# Allegro board WeChat_ZM_PART_20200601.brd (continued)
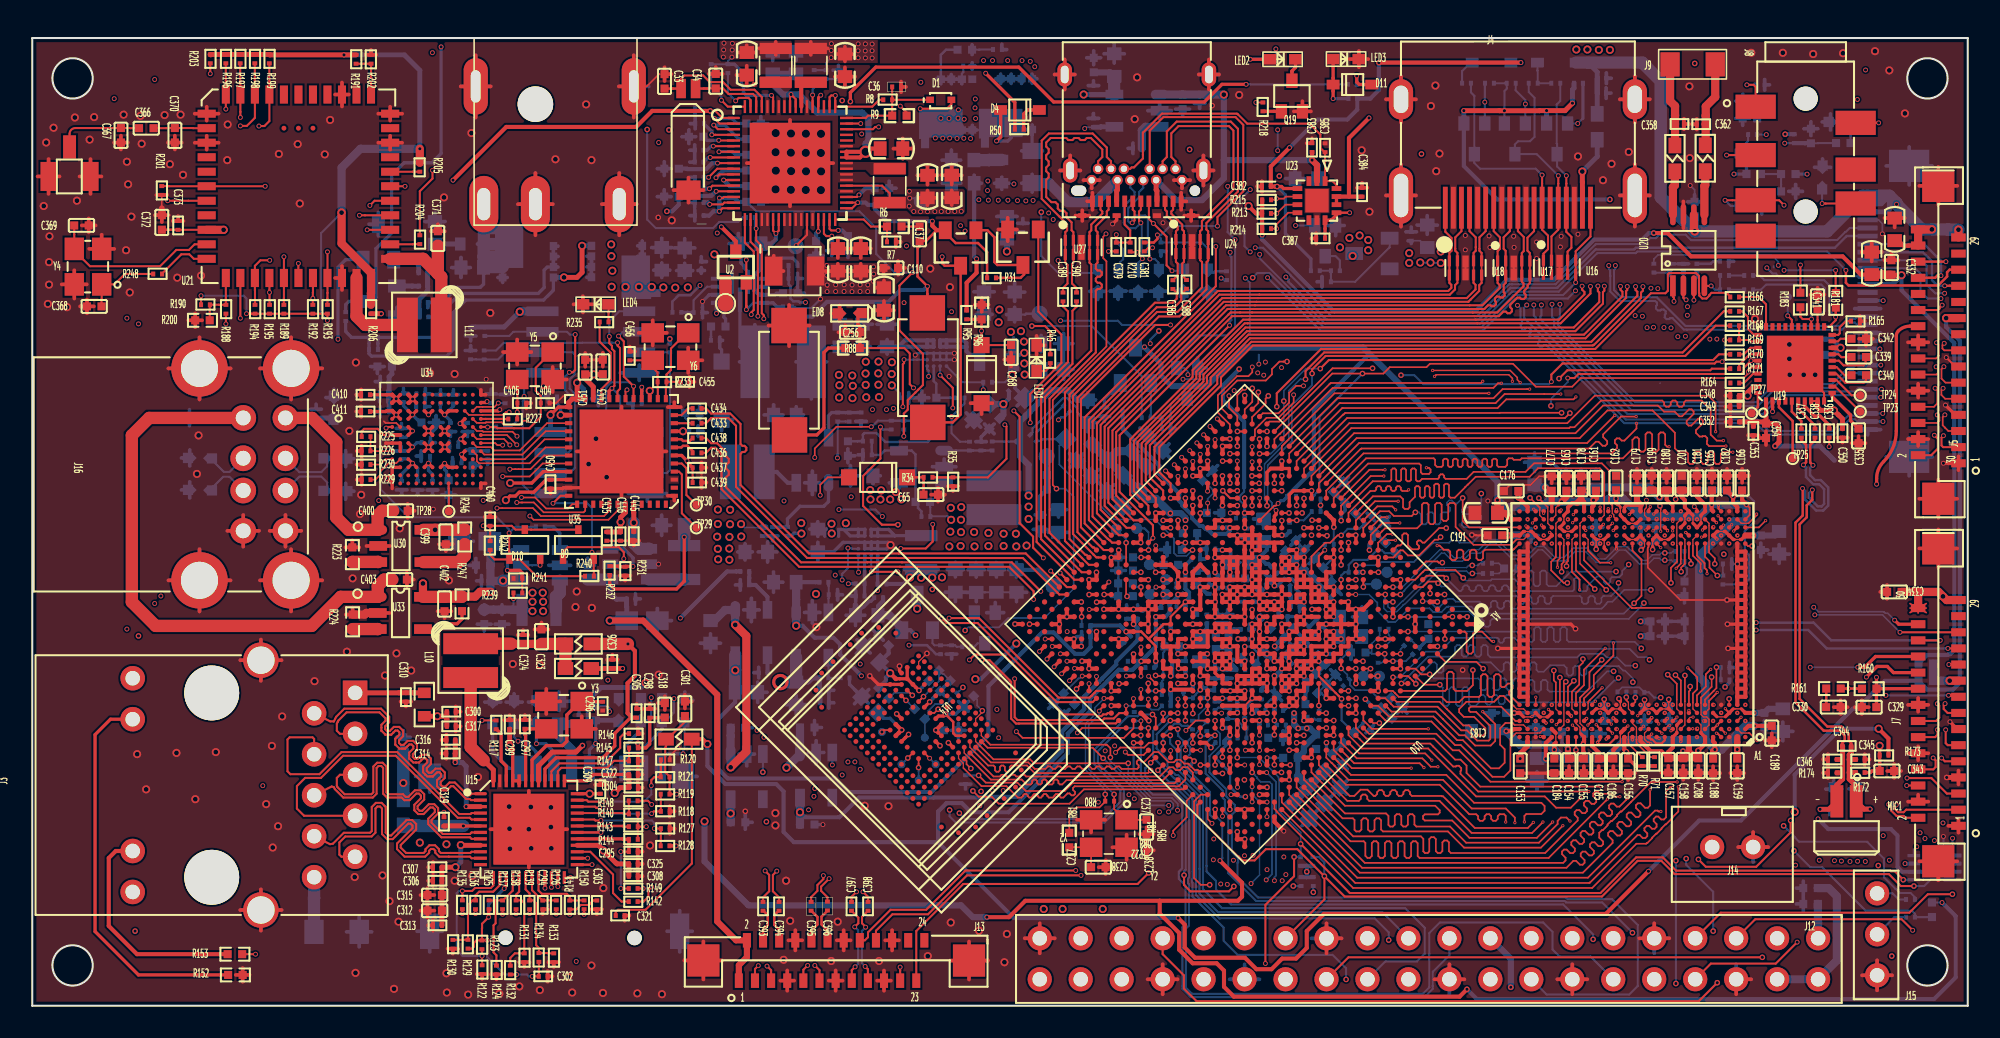
[diagram p0: board, top side]
## Footprints (pads in the part's own frame, mm; a bottom-side part is the same pattern mirrored in y, then rotated) (continued)
C0201
  rect 0.25x0.3 smd: 1(-0.275,0) 2(0.275,0)
C0402
  rect 0.5x0.5 smd: 1(0,0) 2(0.9,0)
C0603
  rect 0.8x0.9 smd: 1(-0.7,0) 2(0.7,0)
C0805
  rect 1.4x1.15 smd: 1(0,0) 2(1.9,0)
C1206
  rect 1.2x1.5 smd: 1(0,0) 2(2.8,0)
CNN24_1R00_FP05SL_V
  rect 0.5x0.9 smd: 1(-7.5,-1.25) 2(-7,1.25) 3(-6.5,-1.25) 4(-6,1.25) 5(-5.5,-1.25) 6(-5,1.25) 7(-4.5,-1.25) 8(-4,1.25) 9(-3.5,-1.25) 10(-3,1.25) 11(-2.5,-1.25) 12(-2,1.25) 13(-1.5,-1.25) 14(-1,1.25) 15(-0.5,-1.25) 16(0,1.25) 17(0.5,-1.25) 18(1,1.25) 19(1.5,-1.25) 20(2,1.25) 21(2.5,-1.25) 22(3,1.25) 23(3.5,-1.25) 24(4,1.25)
  rect 2x2 smd: 25(6.771,-0.005) 26(-9.7,0)
CNN30_1R00_FP05SL_V
  rect 0.5x0.9 smd: 1(-7.5,-1.25) 2(-7,1.25) 3(-6.5,-1.25) 4(-6,1.25) 5(-5.5,-1.25) 6(-5,1.25) 7(-4.5,-1.25) 8(-4,1.25) 9(-3.5,-1.25) 10(-3,1.25) 11(-2.5,-1.25) 12(-2,1.25) 13(-1.5,-1.25) 14(-1,1.25) 15(-0.5,-1.25) 16(0,1.25) 17(0.5,-1.25) 18(1,1.25) 19(1.5,-1.25) 20(2,1.25) 21(2.5,-1.25) 22(3,1.25) 23(3.5,-1.25) 24(4,1.25) 25(4.5,-1.25) 26(5,1.25) 27(5.5,-1.25) 28(6,1.25) 29(6.5,-1.25) 30(7,1.25)
  rect 2x2 smd: 31(-9.7,0) 32(9.7,0)
CON_2_54_2X20P
  round 1.5 hole 0.9: 1(0,0) 2(2.54,0) 3(0,-2.54) 4(2.54,-2.54) 5(0,-5.08) 6(2.54,-5.08) 7(0,-7.62) 8(2.54,-7.62) 9(0,-10.16) 10(2.54,-10.16) 11(0,-12.7) 12(2.54,-12.7) 13(0,-15.24) 14(2.54,-15.24) 15(0,-17.78) 16(2.54,-17.78) 17(0,-20.32) 18(2.54,-20.32) 19(0,-22.86) 20(2.54,-22.86) 21(0,-25.4) 22(2.54,-25.4) 23(0,-27.94) 24(2.54,-27.94) 25(0,-30.48) 26(2.54,-30.48) 27(0,-33.02) 28(2.54,-33.02) 29(0,-35.56) 30(2.54,-35.56) 31(0,-38.1) 32(2.54,-38.1) 33(0,-40.64) 34(2.54,-40.64) 35(0,-43.18) 36(2.54,-43.18) 37(0,-45.72) 38(2.54,-45.72) 39(0,-48.26) 40(2.54,-48.26)
CON_2_54_3P
  round 1.5 hole 0.9: 1(0,0) 2(2.54,0) 3(5.08,0)
CRY2_6R90X1R40X1R30
  rect 1.2x0.6 smd: 1(-3.45,-0.46) 2(-3.45,0.44)
  rect 1.2x1.5 smd: 3(2.85,0)
CRY4_3R20X2R50X0R80
  rect 1.4x1.2 smd: 1(-1.1,-0.85) 2(1.1,-0.85) 3(1.1,0.85) 4(-1.1,0.85)
CSP20_1R96X1R56X0R66
  round 0.24 smd: A1(-0.6,0.8) A2(-0.2,0.8) A3(0.2,0.8) A4(0.6,0.8) B1(-0.6,0.4) B2(-0.2,0.4) B3(0.2,0.4) B4(0.6,0.4) C1(-0.6,0) C2(-0.2,0) C3(0.2,0) C4(0.6,0) D1(-0.6,-0.4) D2(-0.2,-0.4) D3(0.2,-0.4) D4(0.6,-0.4) E1(-0.6,-0.8) E2(-0.2,-0.8) E3(0.2,-0.8) E4(0.6,-0.8)
DC3_DC_0007_5P
  oval 3.5x1.8 hole 2x0.8: 1(10.3,-3.2) 2(10.3,0) 3(10.3,5.2)
  round 2.2 hole 2.2: 4(4.1,0)
  oval 3.5x1.5 hole 2x0.6: 5(3,6.1) 6(3,-3.7)
DCU
  rect 1.1x0.25 smd: 1(0,0) 2(0,-0.5) 3(0,-1) 4(0,-1.5)
  rect 0.8x0.2 smd: 5(2.4,-1.5) 6(2.4,-1) 7(2.4,-0.5) 8(2.4,0)
ECT8180001581
  rect 0.8x1.5 smd: 1(0,0)
  rect 1x1.8 smd: 2(-1.3,1.8) 3(1.3,1.8)
ESD0402
  custom 0.159x0.159 smd: 1(-0.635,-0.025) 2(0.622,0)
FBGA366_15R00X15R00X0R60
  round 0.275 smd: A1(-7,7) A2(-6.5,7) A3(-6,7) A4(-5.5,7) A5(-5,7) A6(-4.5,7) A7(-4,7) A8(-3.5,7) A9(-3,7) A10(-2.5,7) A11(-2,7) A12(-1.5,7) A13(-1,7) A14(-0.5,7) A15(0,7) A16(0.5,7) A17(1,7) A18(1.5,7) A19(2,7) A20(2.5,7) A21(3,7) A22(3.5,7) A23(4,7) A24(4.5,7) A25(5,7) A26(5.5,7) A27(6,7) A28(6.5,7) A29(7,7) AA1(-7,-3) AA2(-6.5,-3) AA28(6.5,-3) AA29(7,-3) AB1(-7,-3.5) AB2(-6.5,-3.5) AB28(6.5,-3.5) AB29(7,-3.5) AC1(-7,-4) AC2(-6.5,-4) AC28(6.5,-4) AC29(7,-4) AD1(-7,-4.5) AD2(-6.5,-4.5) AD28(6.5,-4.5) AD29(7,-4.5) AE1(-7,-5) AE2(-6.5,-5) AE3(-6,-5) AE4(-5.5,-5) AE5(-5,-5) AE6(-4.5,-5) AE7(-4,-5) AE8(-3.5,-5) AE9(-3,-5) AE10(-2.5,-5) AE11(-2,-5) AE12(-1.5,-5) AE13(-1,-5) AE14(-0.5,-5) AE15(0,-5) AE16(0.5,-5) AE17(1,-5) AE18(1.5,-5) AE19(2,-5) AE20(2.5,-5) AE21(3,-5) AE22(3.5,-5) AE23(4,-5) AE24(4.5,-5) AE25(5,-5) AE26(5.5,-5) AE27(6,-5) AE28(6.5,-5) AE29(7,-5) AF1(-7,-5.5) AF2(-6.5,-5.5) AF3(-6,-5.5) AF4(-5.5,-5.5) AF5(-5,-5.5) AF6(-4.5,-5.5) AF7(-4,-5.5) AF8(-3.5,-5.5) AF9(-3,-5.5) AF10(-2.5,-5.5) AF11(-2,-5.5) AF12(-1.5,-5.5) AF13(-1,-5.5) AF14(-0.5,-5.5) AF15(0,-5.5) AF16(0.5,-5.5) AF17(1,-5.5) AF18(1.5,-5.5) AF19(2,-5.5) AF20(2.5,-5.5) AF21(3,-5.5) AF22(3.5,-5.5) AF23(4,-5.5) AF24(4.5,-5.5) AF25(5,-5.5) AF26(5.5,-5.5) AF27(6,-5.5) AF28(6.5,-5.5) AF29(7,-5.5) AG1(-7,-6) AG2(-6.5,-6) AG3(-6,-6) AG4(-5.5,-6) AG5(-5,-6) AG6(-4.5,-6) AG7(-4,-6) AG8(-3.5,-6) AG9(-3,-6) AG10(-2.5,-6) AG11(-2,-6) AG12(-1.5,-6) AG13(-1,-6) AG14(-0.5,-6) AG15(0,-6) AG16(0.5,-6) AG17(1,-6) AG18(1.5,-6) AG19(2,-6) AG20(2.5,-6) AG21(3,-6) AG22(3.5,-6) AG23(4,-6) AG24(4.5,-6) AG25(5,-6) AG26(5.5,-6) AG27(6,-6) AG28(6.5,-6) AG29(7,-6) AH1(-7,-6.5) AH2(-6.5,-6.5) AH3(-6,-6.5) AH4(-5.5,-6.5) AH5(-5,-6.5) AH6(-4.5,-6.5) AH7(-4,-6.5) AH8(-3.5,-6.5) AH9(-3,-6.5) AH10(-2.5,-6.5) AH11(-2,-6.5) AH12(-1.5,-6.5) AH13(-1,-6.5) AH14(-0.5,-6.5) AH15(0,-6.5) AH16(0.5,-6.5) AH17(1,-6.5) AH18(1.5,-6.5) AH19(2,-6.5) AH20(2.5,-6.5) AH21(3,-6.5) AH22(3.5,-6.5) AH23(4,-6.5) AH24(4.5,-6.5) AH25(5,-6.5) AH26(5.5,-6.5) AH27(6,-6.5) AH28(6.5,-6.5) AH29(7,-6.5) AJ1(-7,-7) AJ2(-6.5,-7) AJ3(-6,-7) AJ4(-5.5,-7) AJ5(-5,-7) AJ6(-4.5,-7) AJ7(-4,-7) AJ8(-3.5,-7) AJ9(-3,-7) AJ10(-2.5,-7) AJ11(-2,-7) AJ12(-1.5,-7) AJ13(-1,-7) AJ14(-0.5,-7) AJ15(0,-7) AJ16(0.5,-7) AJ17(1,-7) AJ18(1.5,-7) AJ19(2,-7) AJ20(2.5,-7) AJ21(3,-7) AJ22(3.5,-7) AJ23(4,-7) AJ24(4.5,-7) AJ25(5,-7) AJ26(5.5,-7) AJ27(6,-7) AJ28(6.5,-7) AJ29(7,-7) B1(-7,6.5) B2(-6.5,6.5) B3(-6,6.5) B4(-5.5,6.5) B5(-5,6.5) B6(-4.5,6.5) B7(-4,6.5) B8(-3.5,6.5) B9(-3,6.5) B10(-2.5,6.5) B11(-2,6.5) B12(-1.5,6.5) B13(-1,6.5) B14(-0.5,6.5) B15(0,6.5) B16(0.5,6.5) B17(1,6.5) B18(1.5,6.5) B19(2,6.5) B20(2.5,6.5) B21(3,6.5) B22(3.5,6.5) B23(4,6.5) B24(4.5,6.5) B25(5,6.5) B26(5.5,6.5) B27(6,6.5) B28(6.5,6.5) B29(7,6.5) C1(-7,6) C2(-6.5,6) C3(-6,6) C4(-5.5,6) C5(-5,6) C6(-4.5,6) C7(-4,6) C8(-3.5,6) C9(-3,6) C10(-2.5,6) C11(-2,6) C12(-1.5,6) C13(-1,6) C14(-0.5,6) C15(0,6) C16(0.5,6) C17(1,6) C18(1.5,6) C19(2,6) C20(2.5,6) C21(3,6) C22(3.5,6) C23(4,6) C24(4.5,6) C25(5,6) C26(5.5,6) C27(6,6) C28(6.5,6) C29(7,6) D1(-7,5.5) D2(-6.5,5.5) D3(-6,5.5) D4(-5.5,5.5) D5(-5,5.5) D6(-4.5,5.5) D7(-4,5.5) D8(-3.5,5.5) D9(-3,5.5) D10(-2.5,5.5) D11(-2,5.5) D12(-1.5,5.5) D13(-1,5.5) D14(-0.5,5.5) D15(0,5.5) D16(0.5,5.5) D17(1,5.5) D18(1.5,5.5) D19(2,5.5) D20(2.5,5.5) D21(3,5.5) D22(3.5,5.5) D23(4,5.5) D24(4.5,5.5) D25(5,5.5) D26(5.5,5.5) D27(6,5.5) D28(6.5,5.5) D29(7,5.5) E1(-7,5) E2(-6.5,5) E3(-6,5) E4(-5.5,5) E5(-5,5) E6(-4.5,5) E7(-4,5) E8(-3.5,5) E9(-3,5) E10(-2.5,5) E11(-2,5) E12(-1.5,5) E13(-1,5) E14(-0.5,5) E15(0,5) E16(0.5,5) E17(1,5) E18(1.5,5) E19(2,5) E20(2.5,5) E21(3,5) E22(3.5,5) E23(4,5) E24(4.5,5) E25(5,5) E26(5.5,5) E27(6,5) E28(6.5,5) E29(7,5) F1(-7,4.5) F2(-6.5,4.5) F28(6.5,4.5) F29(7,4.5) G1(-7,4) G2(-6.5,4) G28(6.5,4) G29(7,4) H1(-7,3.5) H2(-6.5,3.5) H28(6.5,3.5) H29(7,3.5) J1(-7,3) J2(-6.5,3) J28(6.5,3) J29(7,3) K1(-7,2.5) K2(-6.5,2.5) K28(6.5,2.5) K29(7,2.5) L1(-7,2) L2(-6.5,2) L28(6.5,2) L29(7,2) M1(-7,1.5) M2(-6.5,1.5) M28(6.5,1.5) M29(7,1.5) N1(-7,1) N2(-6.5,1) N28(6.5,1) N29(7,1) P1(-7,0.5) P2(-6.5,0.5) P28(6.5,0.5) P29(7,0.5) R1(-7,0) R2(-6.5,0) R28(6.5,0) R29(7,0) T1(-7,-0.5) T2(-6.5,-0.5) T28(6.5,-0.5) T29(7,-0.5) U1(-7,-1) U2(-6.5,-1) U28(6.5,-1) U29(7,-1) V1(-7,-1.5) V2(-6.5,-1.5) V28(6.5,-1.5) V29(7,-1.5) W1(-7,-2) W2(-6.5,-2) W28(6.5,-2) W29(7,-2) Y1(-7,-2.5) Y2(-6.5,-2.5) Y28(6.5,-2.5) Y29(7,-2.5)
FBGA_144_7X7X0P5MM
  round 0.24 smd: A1(-2.75,2.75) A2(-2.25,2.75) A3(-1.75,2.75) A4(-1.25,2.75) A5(-0.75,2.75) A6(-0.25,2.75) A7(0.25,2.75) A8(0.75,2.75) A9(1.25,2.75) A10(1.75,2.75) A11(2.25,2.75) A12(2.75,2.75) B1(-2.75,2.25) B2(-2.25,2.25) B3(-1.75,2.25) B4(-1.25,2.25) B5(-0.75,2.25) B6(-0.25,2.25) B7(0.25,2.25) B8(0.75,2.25) B9(1.25,2.25) B10(1.75,2.25) B11(2.25,2.25) B12(2.75,2.25) C1(-2.75,1.75) C2(-2.25,1.75) C3(-1.75,1.75) C4(-1.25,1.75) C5(-0.75,1.75) C6(-0.25,1.75) C7(0.25,1.75) C8(0.75,1.75) C9(1.25,1.75) C10(1.75,1.75) C11(2.25,1.75) C12(2.75,1.75) D1(-2.75,1.25) D2(-2.25,1.25) D3(-1.75,1.25) D10(1.75,1.25) D11(2.25,1.25) D12(2.75,1.25) E1(-2.75,0.75) E2(-2.25,0.75) E3(-1.75,0.75) E5(-0.75,0.75) E6(-0.25,0.75) E7(0.25,0.75) E8(0.75,0.75) E10(1.75,0.75) E11(2.25,0.75) E12(2.75,0.75) F1(-2.75,0.25) F2(-2.25,0.25) F3(-1.75,0.25) F5(-0.75,0.25) F6(-0.25,0.25) F7(0.25,0.25) F8(0.75,0.25) F10(1.75,0.25) F11(2.25,0.25) F12(2.75,0.25) G1(-2.75,-0.25) G2(-2.25,-0.25) G3(-1.75,-0.25) G5(-0.75,-0.25) G6(-0.25,-0.25) G7(0.25,-0.25) G8(0.75,-0.25) G10(1.75,-0.25) G11(2.25,-0.25) G12(2.75,-0.25) H1(-2.75,-0.75) H2(-2.25,-0.75) H3(-1.75,-0.75) H5(-0.75,-0.75) H6(-0.25,-0.75) H7(0.25,-0.75) H8(0.75,-0.75) H10(1.75,-0.75) H11(2.25,-0.75) H12(2.75,-0.75) J1(-2.75,-1.25) J2(-2.25,-1.25) J3(-1.75,-1.25) J10(1.75,-1.25) J11(2.25,-1.25) J12(2.75,-1.25) K1(-2.75,-1.75) K2(-2.25,-1.75) K3(-1.75,-1.75) K4(-1.25,-1.75) K5(-0.75,-1.75) K6(-0.25,-1.75) K7(0.25,-1.75) K8(0.75,-1.75) K9(1.25,-1.75) K10(1.75,-1.75) K11(2.25,-1.75) K12(2.75,-1.75) L1(-2.75,-2.25) L2(-2.25,-2.25) L3(-1.75,-2.25) L4(-1.25,-2.25) L5(-0.75,-2.25) L6(-0.25,-2.25) L7(0.25,-2.25) L8(0.75,-2.25) L9(1.25,-2.25) L10(1.75,-2.25) L11(2.25,-2.25) L12(2.75,-2.25) M1(-2.75,-2.75) M2(-2.25,-2.75) M3(-1.75,-2.75) M4(-1.25,-2.75) M5(-0.75,-2.75) M6(-0.25,-2.75) M7(0.25,-2.75) M8(0.75,-2.75) M9(1.25,-2.75) M10(1.75,-2.75) M11(2.25,-2.75) M12(2.75,-2.75)
FPC30_0R50_UP
  rect 0.3x1.25 smd: 1(-6,-1.863) 2(-5.5,-1.863) 3(-5,-1.863) 4(-4.5,-1.863) 5(-4,-1.863) 6(-3.5,-1.863) 7(-3,-1.863) 8(-2.5,-1.863) 9(-2,-1.863) 10(-1.5,-1.863) 11(-1,-1.863) 12(-0.5,-1.863) 13(0,-1.863) 14(0.5,-1.863) 15(1,-1.863) 16(1.5,-1.863) 17(2,-1.863) 18(2.5,-1.863) 19(3,-1.863) 20(3.5,-1.863) 21(4,-1.863) 22(4.5,-1.863) 23(5,-1.863) 24(5.5,-1.863) 25(6,-1.863) 26(6.5,-1.863) 27(7,-1.863) 28(7.5,-1.863) 29(8,-1.863) 30(8.5,-1.863)
  rect 1.999x2.499 smd: 31(10.348,0.712) 32(-7.69,0.712)
HDMIA19_HDMI_01A
  rect 0.3x2.6 smd: 1(0,0) 2(0.5,0) 3(1,0) 4(1.5,0) 5(2,0) 6(2.5,0) 7(3,0) 8(3.5,0) 9(4,0) 10(4.5,0) 11(5,0) 12(5.5,0) 13(6,0) 14(6.5,0) 15(7,0) 16(7.5,0) 17(8,0) 18(8.5,0) 19(9,0)
  oval 1.5x3.5 hole 0.9x2.7: 20(11.75,0.76) 21(-2.75,0.76)
  oval 1.5x2.5 hole 0.9x1.7: 22(-2.75,6.72) 23(11.75,6.72)
HSMT8_3R30X3R30X0R90
  rect 0.47x0.5 smd: 1(-1.575,0.975) 2(-1.575,0.325) 3(-1.575,-0.325) 4(-1.575,-0.975) 5(1.575,-0.975) 6(1.575,-0.325) 7(1.575,0.325)
  custom 0.604x0.604 smd: 8(1.499,0.975)
IND_252010
  rect 0.7x2 smd: 1(-1.05,0) 2(1.05,0)
IND_252012
  rect 0.7x2 smd: 1(-1.05,0) 2(1.05,0)
IND_303012
  rect 3.4x1.3 smd: 1(0,1.05) 2(0,-1.05)
IND_303015
  rect 3.4x1.3 smd: 1(0,1.05) 2(0,-1.05)
IND_323015
  rect 1.1x1.8 smd: 1(-1.3,0) 2(1.3,0)
IND_505040
  rect 1.8x4.5 smd: 1(-1.75,0) 2(1.75,0)
IND_IND2520
  rect 0.7x2 smd: 1(-1.05,0) 2(1.05,0)
L0603
  rect 0.965x0.8 smd: 1(-0.8,0) 2(0.8,0)
LED0603
  rect 0.8x0.65 smd: 1(0,0) 2(1.6,0)
MIC-SMT2-4020
  rect 0.8x2 smd: 1(-0.6,-0.2) 2(0.6,-0.2)
MLP14_2R50X2R50X0R80
  rect 0.6x0.3 smd: 1(-1.21,0.5) 2(-1.21,0) 3(-1.21,-0.5) 8(1.21,-0.5) 9(1.21,0) 10(1.21,0.5)
  rect 0.3x0.6 smd: 4(-0.75,-1.21) 5(-0.25,-1.21) 6(0.25,-1.21) 7(0.75,-1.21) 11(0.75,1.21) 12(0.25,1.21) 13(-0.25,1.21) 14(-0.75,1.21)
  rect 1.45x1.45 smd: 15(0,0)
MSOP8_3R00X3R00X1R10
  rect 1.3x0.35 smd: 1(-2.2,0.975)
  oval 1.3x0.35 smd: 2(-2.2,0.325) 3(-2.2,-0.325) 4(-2.2,-0.975) 5(2.2,-0.975) 6(2.2,-0.325) 7(2.2,0.325) 8(2.2,0.975)
PJ7_PJ3536
  round 1.5 hole 1.5 unplated: (3.5,0) (10.5,0)
  rect 1.5x2.5 smd: 1(4,-3.1) 2(7,-3.1) 3(9.8,-3.1) 4(12,-3.1) 5(5,3.1) 6(7.9,3.1) 7(10,3.1)
QFN7X7
  rect 0.45x0.25 smd: 1(-3.275,2.75) 2(-3.275,2.25) 3(-3.275,1.75) 4(-3.275,1.25) 5(-3.275,0.75) 6(-3.275,0.25) 7(-3.275,-0.25) 8(-3.275,-0.75) 9(-3.275,-1.25) 10(-3.275,-1.75) 11(-3.275,-2.25) 12(-3.275,-2.75) 25(3.275,-2.75) 26(3.275,-2.25) 27(3.275,-1.75) 28(3.275,-1.25) 29(3.275,-0.75) 30(3.275,-0.25) 31(3.275,0.25) 32(3.275,0.75) 33(3.275,1.25) 34(3.275,1.75) 35(3.275,2.25) 36(3.275,2.75)
  rect 0.25x0.45 smd: 13(-2.75,-3.275) 14(-2.25,-3.275) 15(-1.75,-3.275) 16(-1.25,-3.275) 17(-0.75,-3.275) 18(-0.25,-3.275) 19(0.25,-3.275) 20(0.75,-3.275) 21(1.25,-3.275) 22(1.75,-3.275) 23(2.25,-3.275) 24(2.75,-3.275) 37(2.75,3.275) 38(2.25,3.275) 39(1.75,3.275) 40(1.25,3.275) 41(0.75,3.275) 42(0.25,3.275) 43(-0.25,3.275) 44(-0.75,3.275) 45(-1.25,3.275) 46(-1.75,3.275) 47(-2.25,3.275) 48(-2.75,3.275)
  rect 5.2x5.2 smd: 49(0,0)
QFN12_2R00X3R00X1R00
  rect 1.5x0.25 smd: 1(-0.55,0.5) 2(-0.55,-0.5) 7(0.55,0)
  rect 0.25x0.7 smd: 3(-0.75,-1.45) 4(-0.25,-1.45) 5(0.25,-1.45) 6(0.75,-1.45) 9(0.75,1.45) 10(0.25,1.45) 11(-0.25,1.45) 12(-0.75,1.45)
  rect 0.7x0.25 smd: 8(0.95,0.5)
QFN40_5R00X5R00X1R00
  rect 0.45x0.25 smd: 1(-2.3,1.8) 2(-2.3,1.4) 3(-2.3,1) 4(-2.3,0.6) 5(-2.3,0.2) 6(-2.3,-0.2) 7(-2.3,-0.6) 8(-2.3,-1) 9(-2.3,-1.4) 10(-2.3,-1.8) 21(2.3,-1.8) 22(2.3,-1.4) 23(2.3,-1) 24(2.3,-0.6) 25(2.3,-0.2) 26(2.3,0.2) 27(2.3,0.6) 28(2.3,1) 29(2.3,1.4) 30(2.3,1.8)
  rect 0.25x0.45 smd: 11(-1.8,-2.3) 12(-1.4,-2.3) 13(-1,-2.3) 14(-0.6,-2.3) 15(-0.2,-2.3) 16(0.2,-2.3) 17(0.6,-2.3) 18(1,-2.3) 19(1.4,-2.3) 20(1.8,-2.3) 31(1.8,2.3) 32(1.4,2.3) 33(1,2.3) 34(0.6,2.3) 35(0.2,2.3) 36(-0.2,2.3) 37(-0.6,2.3) 38(-1,2.3) 39(-1.4,2.3) 40(-1.8,2.3)
  rect 3.5x3.5 smd: 41(0,0)
QFN48_6R00X6R00X1R00_T
  oval 0.2x0.8 smd: 1(-2.2,-3)
  rect 0.2x0.8 smd: 2(-1.8,-3) 3(-1.4,-3) 4(-1,-3) 5(-0.6,-3) 6(-0.2,-3) 7(0.2,-3) 8(0.6,-3) 9(1,-3) 10(1.4,-3) 11(1.8,-3) 12(2.2,-3) 25(2.2,3) 26(1.8,3) 27(1.4,3) 28(1,3) 29(0.6,3) 30(0.2,3) 31(-0.2,3) 32(-0.6,3) 33(-1,3) 34(-1.4,3) 35(-1.8,3) 36(-2.2,3)
  rect 0.8x0.2 smd: 13(3,-2.2) 14(3,-1.8) 15(3,-1.4) 16(3,-1) 17(3,-0.6) 18(3,-0.2) 19(3,0.2) 20(3,0.6) 21(3,1) 22(3,1.4) 23(3,1.8) 24(3,2.2) 37(-3,2.2) 38(-3,1.8) 39(-3,1.4) 40(-3,1) 41(-3,0.6) 42(-3,0.2) 43(-3,-0.2) 44(-3,-0.6) 45(-3,-1) 46(-3,-1.4) 47(-3,-1.8) 48(-3,-2.2)
  rect 4.4x4.4 smd: 49(0,0)
QFN68_7R00X7R00X0R80_T
  oval 0.8x0.15 smd: 1(-3.5,2.8)
  rect 0.8x0.15 smd: 2(-3.5,2.45) 3(-3.5,2.1) 4(-3.5,1.75) 5(-3.5,1.4) 6(-3.5,1.05) 7(-3.5,0.7) 8(-3.5,0.35) 9(-3.5,0) 10(-3.5,-0.35) 11(-3.5,-0.7) 12(-3.5,-1.05) 13(-3.5,-1.4) 14(-3.5,-1.75) 15(-3.5,-2.1) 16(-3.5,-2.45) 17(-3.5,-2.8) 35(3.5,-2.8) 36(3.5,-2.45) 37(3.5,-2.1) 38(3.5,-1.75) 39(3.5,-1.4) 40(3.5,-1.05) 41(3.5,-0.7) 42(3.5,-0.35) 43(3.5,0) 44(3.5,0.35) 45(3.5,0.7) 46(3.5,1.05) 47(3.5,1.4) 48(3.5,1.75) 49(3.5,2.1) 50(3.5,2.45) 51(3.5,2.8)
  rect 0.15x0.8 smd: 18(-2.8,-3.5) 19(-2.45,-3.5) 20(-2.1,-3.5) 21(-1.75,-3.5) 22(-1.4,-3.5) 23(-1.05,-3.5) 24(-0.7,-3.5) 25(-0.35,-3.5) 26(0,-3.5) 27(0.35,-3.5) 28(0.7,-3.5) 29(1.05,-3.5) 30(1.4,-3.5) 31(1.75,-3.5) 32(2.1,-3.5) 33(2.45,-3.5) 34(2.8,-3.5) 52(2.8,3.5) 53(2.45,3.5) 54(2.1,3.5) 55(1.75,3.5) 56(1.4,3.5) 57(1.05,3.5) 58(0.7,3.5) 59(0.35,3.5) 60(0,3.5) 61(-0.35,3.5) 62(-0.7,3.5) 63(-1.05,3.5) 64(-1.4,3.5) 65(-1.75,3.5) 66(-2.1,3.5) 67(-2.45,3.5) 68(-2.8,3.5)
  rect 5x5 smd: 69(0,0)
R0201
  rect 0.25x0.3 smd: 1(0,0) 2(0.55,0)
R0402
  rect 0.5x0.5 smd: 1(-0.45,0) 2(0.45,0)
R0603
  rect 0.65x0.8 smd: 1(-0.725,0) 2(0.725,0)
R0805
  rect 1x1.2 smd: 1(-1,0) 2(1,0)
R1206
  rect 1.2x1.5 smd: 1(0,0) 2(2.8,0)
RJ45_HR911130C
  rect 1.524x1.524 hole 0.9: 1(5.72,-8.89)
  round 1.524 hole 0.9: 2(4.45,-6.35) 3(3.18,-8.89) 4(1.91,-6.35) 5(0.64,-8.89) 6(-0.63,-6.35) 7(-1.9,-8.89) 8(-3.17,-6.35) 9(-4.44,-8.89) 10(-5.71,-6.35) 11(6.625,4.9) 12(4.085,4.9) 13(-4.085,4.9) 14(-6.625,4.9)
  round 2.2 hole 1.7: 15(-7.745,-3.05) 16(7.745,-3.05)
  round 3.4 hole 3.4: 17(5.715,0) 18(-5.715,0)
RZ7889
  rect 2x0.6 smd: 1(-3.082,5.025) 2(-3.082,3.755) 3(-3.082,2.485) 4(-3.082,1.215) 5(2.918,1.215) 6(2.918,2.485) 7(2.918,3.755) 8(2.918,5.025)
SMT2_6R00X3R50X4R20
  rect 2.2x2.2 smd: 1(0,0) 2(-0.028,6.784)
SOD_123
  rect 1x1 smd: 1(-1.8,0) 2(1.8,0)
SOD_323
  rect 0.8x0.6 smd: 1(-1.2,0) 2(1.2,0)
SOD_523
  rect 0.48x0.4 smd: 1(0,0) 2(1.32,0)
SON10_2R50X1R00X0R50
  rect 0.2x0.68 smd: 1(-1,-0.437) 2(-0.5,-0.437) 4(0.5,-0.437) 5(1,-0.437) 6(1,0.437) 7(0.5,0.437) 9(-0.5,0.437) 10(-1,0.437)
  rect 0.4x0.75 smd: 3(0,-0.395) 8(0,0.395)
SOT23-3
  rect 0.4x0.55 smd: 1(-0.95,-1.85) 2(0.95,-1.85) 3(0,0)
SOT23-6
  rect 1x0.6 smd: 1(0,0) 2(0,-0.95) 3(0,-1.9) 4(2.4,-1.9) 5(2.4,-0.95) 6(2.4,0)
SOT_23
  rect 0.8x1.1 smd: 1(-0.95,-1.1) 2(0.95,-1.1) 3(0,1.1)
SOT_23_5
  oval 1.1x0.6 smd: 1(0,0)
  rect 1.1x0.6 smd: 2(0,-1) 3(0,-2) 4(2.8,-2) 5(2.8,0)
SOT_323
  rect 0.7x0.9 smd: 1(-0.65,-0.95) 2(0.65,-0.95) 3(0,0.95)
TF9_CKT01_009D
  round 0.9 hole 0.9 unplated: (10.5,0.8) (10.516,-7.2)
  rect 1.6x0.7 smd: 1(0,0) 2(0,-1.1) 3(0,-2.2) 4(0,-3.3) 5(0,-4.4) 6(0,-5.5) 7(0,-6.6) 8(0,-7.7) 9(0,-8.8)
  rect 1.6x1.4 smd: 10(0.5,-10.2) 13(0.5,5.5)
  rect 2.2x1.2 smd: 11(10.1,-10) 12(10.1,5.5)
TP_0R50
  round 0.5 smd: 1(0,0)
TP_0R70
  round 0.7 smd: 1(0,0)
TP_1R00
  round 1 smd: 1(0,0)
UB1112C-8FDH-4F
  round 1.6 hole 0.92: A1(-3.5,2.62) A2(-1,2.62) A3(1,2.62) A4(3.5,2.62) B1(-3.5,0) B2(-1,0) B3(1,0) B4(3.5,0)
  round 3.5 hole 2.3: H1(-6.57,2.97) H2(-6.57,-2.71) H3(6.57,-2.71) H4(6.57,2.97)
USB_TYPEC_115H0
  round 0.65 hole 0.65 unplated: (-3.6,9.2)
  oval 0.94x0.635 hole 0.94x0.635 unplated: (3.6,9.2)
  rect 0.3x0.7 smd: A1(-2.75,9.86) A2(-2.25,9.86) A3(-1.75,9.86) A4(-1.25,9.86) A5(-0.75,9.86) A6(-0.25,9.86) A7(0.25,9.86) A8(0.75,9.86) A9(1.25,9.86) A10(1.75,9.86) A11(2.25,9.86) A12(2.75,9.86)
  round 0.65 hole 0.4: B1(2.8,8.55) B2(2.4,7.85) B3(1.6,7.85) B4(1.2,8.55) B5(0.8,7.85) B6(0.4,8.55) B7(-0.4,8.55) B8(-0.8,7.85) B9(-1.2,8.55) B10(-1.6,7.85) B11(-2.4,7.85) B12(-2.8,8.55)
  oval 0.9x1.5 hole 0.483x1.092: E1(-4.47,2) E2(4.47,2) E3(-4.13,7.95) E4(4.13,7.95)
  rect 0.5x0.3 smd: E5(-3.37,10.75) E6(-1.25,10.75) E7(1.25,10.75) E8(3.38,10.75)
XH_2_54_2P
  round 1.5 hole 0.9: 1(0,0) 2(2.54,0)

## Nets
5V_SWITCH: Q5.3(COLLECTOR) R42.2 R50.2
AVDD1V0_RGMII: C305.1 C306.1 C307.1 C312.1 C313.1 C314.1 C315.1 C316.1 FB1.2 U15.3(AVDD10_1) U15.9(AVDD10_2) U15.40(AVDD10)
AVDD3V3_RGMII: C298.1 C299.1 C300.1 C317.1 C318.1 C319.1 FB2.2 R145.1 R151.1 U15.6(AVDD33_1) U15.41(AVDD33_2) U15.44(VDDREG1) U15.45(VDDREG2)
DVDD1V0_RGMII: C308.1 C309.1 C325.1 C326.1 FB3.2 U15.28(DVDD10_1) U15.36(DVDD10_2)
DVDD3V3_RGMII: C301.1 C302.1 C303.1 C304.1 C322.1 FB4.2 J3.14(Y+) R119.2 R121.2 R123.2 R125.2 R128.2 R129.2 R132.2 R134.2 R140.1 R141.1 R143.1 R144.1 U15.15(DVDD33_1) U15.21(DVDD33_2) U15.37(DVDD33_3)
DVDD12_GL: C447.1 C448.1 C453.1 C454.1 L12.2 R232.2 U35.9(AVDD12) U35.26(DVDD12)
DVDD33_GL: C437.1 C439.1 C445.1 C449.2 C450.1 C461.1 R236.2 R237.2 U35.6(AVDD33#6) U35.15(AVDD33#15) U35.23(S1M1_VCC) U35.24(S2M2_VCC) U35.25(DVDD33#25) U35.34(DVDD33#34) U35.44(DVDD33#44) U36.1(EN) U37.8(VCC) U38.8(VCC)
GND: C1.1 C2.1 C3.1 C4.2 C5.2 C6.1 C7.2 C8.2 C9.2 C11.2 C12.2 C13.1 C14.2 C15.1 C16.2 C17.2 C18.1 C19.2 C20.2 C21.1 C22.2 C23.1 C24.2 C25.1 C26.2 C27.1 C28.2 C29.1 C30.2 C31.1 C32.2 C33.2 C34.2 C35.1 C36.1 C38.2 C39.2 C40.2 C41.2 C43.2 C44.2 C45.2 C46.2 C47.2 C48.2 C49.2 C50.2 C51.2 C52.2 C53.2 C54.2 C55.2 C56.2 C58.2 C59.2 C60.2 C61.2 C62.2 C63.2 C64.2 C65.2 C66.2 C67.2 C68.2 C70.2 C72.2 C73.2 C74.2 C75.2 C76.2 C77.2 C78.2 C79.2 C80.2 C81.2 C82.2 C83.2 C85.2 C86.2 C87.2 C88.2 C89.2 C90.2 C91.2 C92.2 C93.2 C94.2 C95.2 C96.2 C97.2 C98.2 C99.2 C100.2 C101.2 C102.2 C103.2 C104.2 C105.2 C106.2 C107.2 C108.2 C109.2 C110.2 C111.2 C112.2 C113.2 C114.2 C115.2 C116.2 C117.2 C118.2 C119.2 C120.2 C121.2 C122.2 C123.2 C124.2 C125.2 C126.2 C127.2 C128.2 C129.2 C130.2 C131.2 C132.2 C133.2 C134.2 C135.2 C136.2 C137.2 C138.2 C139.2 C140.2 C141.2 C142.2 C143.2 C144.2 C145.2 C146.2 C147.2 C148.1 C149.1 C150.1 C151.1 C152.2 C153.2 C154.2 C155.2 C156.2 C157.2 C158.2 C159.2 C160.2 C161.2 C162.2 C163.2 C164.2 C165.2 C166.2 C167.2 C168.2 C169.2 C170.2 C171.2 C172.2 C173.2 C174.2 C175.2 C176.2 C177.2 C178.2 C179.2 C180.2 C181.2 C182.2 C183.2 C184.2 C185.2 C186.2 C187.2 C188.2 C189.2 C190.2 C191.2 C192.2 C193.2 C194.2 C195.2 C196.2 C197.2 C198.2 C199.2 C200.2 C201.2 C202.2 C203.2 C204.2 C205.2 C206.2 C207.2 C208.2 C209.2 C210.2 C211.2 C212.2 C213.2 C214.2 C215.2 C216.2 C217.2 C218.2 C219.2 C220.2 C221.2 C222.2 C223.2 C224.2 C225.2 C226.2 C227.2 C228.2 C229.2 C230.2 C231.2 C232.2 C233.2 C234.2 C235.2 C236.1 C237.2 C238.1 C239.2 C240.2 C241.2 C242.2 C243.2 C244.2 C245.2 C246.2 C247.2 C248.2 C249.2 C250.2 C251.2 C252.2 C253.2 C254.2 C255.2 C256.2 C257.2 C258.2 C259.2 C260.2 C261.2 C262.2 C263.2 C264.2 C265.2 C266.2 C267.2 C268.2 C269.2 C270.2 C271.2 C272.2 C273.2 C274.2 C275.2 C276.2 C277.2 C278.2 C279.2 C280.2 C281.2 C282.2 C283.2 C284.2 C285.2 C286.2 C287.2 C288.1 C289.1 C290.2 C291.2 C292.2 C293.2 C294.2 C295.2 C296.2 C297.2 C298.2 C299.2 C300.2 C301.2 C302.2 C303.2 C304.2 C305.2 C306.2 C307.2 C308.2 C309.2 C310.1 C311.1 C312.2 C313.2 C314.2 C315.2 C316.2 C317.2 C318.2 C319.2 C320.2 C321.2 C322.2 C323.2 C324.2 C325.2 C326.2 C327.2 C328.1 C329.2 C330.2 C331.2 C332.2 C333.2 C334.2 C335.1 C341.2 C342.2 C343.2 C345.2 C346.2 C347.2 C348.2 C349.2 C350.2 C351.2 C352.2 C353.2 C354.2 C355.2 C356.1 C357.1 C358.2 C359.2 C360.1 C362.1 C364.2 C367.2 C368.2 C369.2 C370.2 C371.2 C372.2 C373.2 C374.2 C375.2 C376.2 C377.2 C378.2 C380.2 C382.2 C383.2 C384.2 C385.2 C387.2 C391.1 C392.1 C399.2 C400.2 C401.2 C402.2 C403.2 C404.2 C405.2 C406.2 C407.2 C408.2 C409.2 C410.2 C411.2 C412.2 C413.2 C414.2 C415.2 C416.2 C417.2 C418.2 C419.2 C420.2 C421.2 C422.2 C423.2 C424.2 C425.2 C426.2 C427.2 C428.2 C429.2 C430.2 C431.2 C432.2 C435.2 C437.2 C439.2 C440.2 C441.2 C442.2 C443.2 C444.2 C445.2 C446.2 C447.2 C448.2 C449.1 C450.2 C451.2 C452.2 C453.2 C454.2 C455.2 C456.2 C457.2 C458.2 C459.2 C460.2 C461.2 D3.1(A) D5.1(ANODE) D6.1(ANODE) ED1.2 ED2.2 ED3.2 ED4.2 ED5.2 ED6.2 ED7.2 ED8.2 ED9.2 ED10.2 ED11.2 ED12.2 ED13.2 ED14.2 ED15.2 ED16.2 ED17.2 ED18.2 ED19.2 ED20.2 ED21.2 ED22.2 ED23.2 ED24.2 ED25.2 ED26.2 J1.2 J1.3 J1.5 J1.6 J2.6(VSS) J2.10(G1) J2.11(G2) J2.12(G3) J2.13(G4) J3.15 J3.16 J4.2 J4.5 J4.8 J4.11 J4.17 J4.20 J4.21 J4.22 J4.23 J5.1(GND_0) J5.4(GND_1) J5.7(GND_2) J5.10(GND_3) J5.13(GND_4) J5.16(GND_5) J5.31(GND_8) J5.32(GND_9) J6.1(GND_0) J6.4(GND_1) J6.7(GND_2) J6.10(GND_3) J6.13(GND_4) J6.16(GND_5) J6.27(GND_7) J6.31(GND_8) J6.32(GND_9) J7.1(GND_0) J7.4(GND_1) J7.7(GND_2) J7.10(GND_3) J7.13(GND_4) J7.16(GND_5) J7.31(GND_8) J7.32(GND_9) J10.2(G#2) J10.3(G#3) J11.A1(GND1) J11.A12(GND2) J11.B1(GND3) J11.B12(GND4) J11.E1(GND_E1) J11.E2(GND_E2) J11.E3(GND_E3) J11.E4(GND_E4) J11.E5(GND_E5) J11.E6(GND_E6) J11.E7(GND_E7) J11.E8(GND_E8) J12.6 J12.9 J12.14 J12.20 J12.25 J12.30 J12.34 J12.39 J13.7 J13.8 J13.13 J13.14 J13.19 J13.20 J13.25 J13.26 J14.2 J15.1 J16.A4(GND_A) J16.B4(GND_B) J16.H1(GND_0) J16.H2(GND_1) J16.H3(GND_2) J16.H4(GND_3) LED1.2(CATHODE) LED3.2(CATHODE) LED4.2(CATHODE) Q2.2(EMITTER) Q5.2(EMITTER) Q6.3(COLLECTOR) Q12.2(SOURCE) Q13.2(SOURCE) Q14.2(SOURCE) Q19.2(SOURCE) R1.2 R7.1 R14.2 R17.2 R20.2 R27.2 R28.2 R30.2 R35.1 R40.2 R51.2 R67.2 R73.2 R77.2 R78.2 R82.2 R84.2 R85.1 R89.2 R90.2 R91.2 R92.2 R93.2 R94.2 R96.1 R100.1 R107.2 R108.2 R110.2 R111.2 R112.2 R113.2 R118.1 R120.1 R122.1 R124.1 R127.1 R130.1 R131.1 R133.1 R146.2 R147.2 R152.1 R165.2 R174.2 R176.1 R184.1 R186.2 R200.1 R201.1 R202.1 R208.2 R209.2 R211.2 R212.2 R223.2 R224.2 R226.1 R228.2 R229.1 R230.1 R231.1 R234.2 R241.1 R244.2 SW2.2 TP22.1 U1.21(DVS2) U1.22(DVS1) U1.27(GND7) U1.28(GND2) U1.30(AGND) U1.38(DGND) U1.40(GND6) U1.41(GND1) U1.46(GND5) U1.57(GND3) U1.62(GND4) U1.64(VREFGND) U1.69(GNDPAD) U3.B2(GND1) U3.B3(GND2) U3.B4(AGND) U3.C1(GND3) U3.C2(GND4) U3.C3(GND5) U3.C4(GND6) U4.2(GND) U5.2(GND) U6.2(GND) U7.2(GND) U8.B2(GND1) U8.B3(GND2) U8.B4(AGND) U8.C1(GND3) U8.C2(GND4) U8.C3(GND5) U8.C4(GND6) U9.2(PGND) U9.10(AGND) U10.A1(VSS_1) U10.A27(VSS_2) U10.A31(VSS_3) U10.AA3(VSS_4) U10.AA5(VSS_5) U10.AA9(VSS_6) U10.AA10(VSS_179) U10.AA11(AVSS_13) U10.AA12(AVSS_17) U10.AA13(VSS_177) U10.AA14(AVSS_26) U10.AA15(AVSS_53) U10.AA23(AVSS_4) U10.AA26(AVSS_6) U10.AA29(AVSS_7) U10.AB9(VSS_9) U10.AB10(AVSS_12) U10.AB11(AVSS_8) U10.AB13(AVSS_9) U10.AB15(AVSS_42) U10.AB16(AVSS_41) U10.AB17(AVSS_52) U10.AB19(VSS_140) U10.AB23(AVSS_5) U10.AC3(VSS_16) U10.AC11(AVSS_44) U10.AC13(AVSS_45) U10.AC15(AVSS_10) U10.AC16(AVSS_18) U10.AC17(AVSS_43) U10.AC18(VSS_145) U10.AC20(VSS_13) U10.AC21(VSS_132) U10.AC22(VSS_12) U10.AC23(AVSS_19) U10.AC25(AVSS_51) U10.AC26(AVSS_14) U10.AC29(AVSS_15) U10.AD3(VSS_17) U10.AD5(VSS_18) U10.AD10(VSS_19) U10.AD13(AVSS_11) U10.AD17(AVSS_16) U10.AD21(VSS_163) U10.AD22(VSS_11) U10.AD26(AVSS_40) U10.AD29(AVSS_20) U10.AE11(AVSS_21) U10.AE12(AVSS_22) U10.AE14(AVSS_23) U10.AE17(AVSS_24) U10.AE23(VSS_14) U10.AE27(AVSS_25) U10.AF9(VSS_20) U10.AF17(AVSS_27) U10.AF18(VSS_7) U10.AF20(VSS_10) U10.AF23(AVSS_2) U10.AF24(AVSS_3) U10.AF29(AVSS_28) U10.AG2(VSS_21) U10.AG29(AVSS_29) U10.AH27(ADC_IN4) U10.AH29(AVSS_30) U10.AJ5(VSS_22) U10.AJ6(AVSS_31) U10.AJ8(AVSS_32) U10.AJ9(AVSS_33) U10.AJ11(AVSS_34) U10.AJ12(AVSS_35) U10.AJ14(AVSS_36) U10.AJ15(AVSS_37) U10.AJ17(AVSS_38) U10.AJ18(AVSS_39) U10.AJ20(VSS_180) U10.AJ21(VSS_172) U10.AJ23(VSS_173) U10.AJ24(VSS_174) U10.AJ26(VSS_175) U10.AJ27(VSS_176) U10.AJ28(VSS_171) U10.AJ29(AVSS_47) U10.AL1(VSS_23) U10.AL31(VSS_178) U10.B5(VSS_24) U10.B31(EDP_AVSS_1) U10.C8(VSS_25) U10.C9(VSS_26) U10.C11(VSS_27) U10.C12(VSS_28) U10.C14(VSS_29) U10.C15(VSS_30) U10.C17(VSS_31) U10.C18(VSS_32) U10.C20(VSS_33) U10.C21(VSS_34) U10.C23(VSS_35) U10.C24(VSS_36) U10.C26(VSS_37) U10.C28(EDP_AVSS_2) U10.C29(EDP_AVSS_3) U10.D5(VSS_38) U10.D29(EDP_AVSS_4) U10.E2(VSS_39) U10.E4(VSS_40) U10.E7(VSS_41) U10.E12(VSS_42) U10.E15(VSS_43) U10.E18(VSS_44) U10.E21(VSS_45) U10.E24(VSS_46) U10.E31(VSS_47) U10.F8(VSS_48) U10.F15(VSS_49) U10.F18(VSS_50) U10.F20(VSS_51) U10.F21(VSS_52) U10.G5(VSS_53) U10.G9(VSS_54) U10.G18(VSS_55) U10.G27(VSS_56) U10.H3(VSS_57) U10.H9(VSS_58) U10.H10(VSS_59) U10.H11(VSS_60) U10.H12(VSS_61) U10.H13(VSS_62) U10.H15(VSS_63) U10.H16(VSS_64) U10.H17(VSS_65) U10.H18(VSS_66) U10.H19(EDP_AVSS_5) U10.H26(VSS_67) U10.J3(VSS_68) U10.J6(VSS_69) U10.J7(VSS_70) U10.J8(VSS_71) U10.J9(VSS_72) U10.J10(VSS_73) U10.J21(EDP_AVSS_6) U10.K8(VSS_74) U10.K9(VSS_75) U10.K10(VSS_76) U10.K12(VSS_77) U10.K14(VSS_78) U10.K16(VSS_79) U10.K18(VSS_80) U10.K20(VSS_82) U10.K22(VSS_84) U10.L3(VSS_85) U10.L6(VSS_86) U10.L8(VSS_87) U10.L11(VSS_88) U10.L12(VSS_89) U10.L13(VSS_90) U10.L14(VSS_91) U10.L15(VSS_92) U10.L16(VSS_93) U10.L20(VSS_96) U10.L22(VSS_97) U10.L27(VSS_99) U10.M3(VSS_100) U10.M8(VSS_101) U10.M10(VSS_102) U10.M16(VSS_103) U10.M23(VSS_104) U10.N8(VSS_105) U10.N13(VSS_108) U10.N14(VSS_109) U10.N15(VSS_110) U10.N16(VSS_111) U10.N17(VSS_94) U10.N19(VSS_83) U10.N21(VSS_98) U10.P3(VSS_112) U10.P6(VSS_113) U10.P7(VSS_114) U10.P8(VSS_115) U10.P10(VSS_116) U10.P11(VSS_106) U10.P12(VSS_107) U10.P16(VSS_117) U10.P17(PLL_AVSS) U10.P19(VSS_119) U10.P21(VSS_121) U10.R3(VSS_123) U10.R5(VSS_124) U10.R6(VSS_125) U10.R14(VSS_129) U10.R15(VSS_130) U10.R16(VSS_131) U10.R18(VSS_165) U10.R21(VSS_120) U10.R23(VSS_133) U10.T8(VSS_134) U10.T10(VSS_135) U10.T16(VSS_138) U10.T18(VSS_168) U10.T19(VSS_122) U10.T21(VSS_139) U10.U3(VSS_141) U10.U8(VSS_142) U10.U11(VSS_126) U10.U12(VSS_127) U10.U14(VSS_137) U10.U15(VSS_143) U10.U16(VSS_144) U10.U19(VSS_146) U10.U21(VSS_147) U10.U22(VSS_149) U10.U23(AVSS_49) U10.U29(VSS_150) U10.V3(VSS_151) U10.V5(VSS_152) U10.V8(VSS_153) U10.V10(VSS_154) U10.V17(VSS_148) U10.V23(AVSS_50) U10.W8(VSS_161) U10.W9(VSS_162) U10.W13(VSS_128) U10.W17(VSS_159) U10.W18(VSS_169) U10.W19(VSS_167) U10.W21(VSS_81) U10.W22(VSS_158) U10.W23(AVSS_46) U10.W30(VSS_160) U10.Y3(VSS_8) U10.Y9(VSS_166) U10.Y10(VSS_15) U10.Y11(VSS_155) U10.Y12(VSS_136) U10.Y13(VSS_164) U10.Y14(VSS_156) U10.Y15(VSS_157) U10.Y16(VSS_118) U10.Y17(VSS_95) U10.Y20(VSS_170) U10.Y23(AVSS_1) U10.Y29(AVSS_48) U11.A3(VSS_A3) U11.A9(VSS_A9) U11.A12(VSS_A12) U11.A15(VSS_A15) U11.A18(VSS_A18) U11.A24(VSS_A24) U11.A27(VSS_A27) U11.AA1(VSS_AA1) U11.AA2(VSS_AA2) U11.AA28(VSS_AA28) U11.AA29(VSS_AA29) U11.AB1(VSS_AB1) U11.AB2(VSS_AB2) U11.AB28(VSS_AB28) U11.AB29(VSS_AB29) U11.AC1(VSS_AC1) U11.AC2(VSS_AC2) U11.AC28(VSS_AC28) U11.AC29(VSS_AC29) U11.AD1(VSS_AD1) U11.AD2(VSS_AD2) U11.AD28(VSS_AD28) U11.AD29(VSS_AD29) U11.AE2(VSS_AE2) U11.AE4(VSS_AE4) U11.AE11(VSS_AE11) U11.AE13(VSS_AE13) U11.AE17(VSS_AE17) U11.AE19(VSS_AE19) U11.AE26(VSS_AE26) U11.AE28(VSS_AE28) U11.AF8(VSS_AF8) U11.AF23(VSS_AF23) U11.AG2(VSS_AG2) U11.AG4(VSS_AG4) U11.AG6(VSS_AG6) U11.AG11(VSS_AG11) U11.AG13(VSS_AG13) U11.AG17(VSS_AG17) U11.AG19(VSS_AG19) U11.AG21(VSS_AG21) U11.AG26(VSS_AG26) U11.AG28(VSS_AG28) U11.AH5(VSS_AH5) U11.AH20(VSS_AH20) U11.AJ3(VSS_AJ3) U11.AJ9(VSS_AJ9) U11.AJ12(VSS_AJ12) U11.AJ15(VSS_AJ15) U11.AJ18(VSS_AJ18) U11.AJ24(VSS_AJ24) U11.AJ27(VSS_AJ27) U11.B5(VSS_B5) U11.B20(VSS_B20) U11.C2(VSS_C2) U11.C4(VSS_C4) U11.C6(VSS_C6) U11.C11(VSS_C11) U11.C13(VSS_C13) U11.C17(VSS_C17) U11.C19(VSS_C19) U11.C21(VSS_C21) U11.C26(VSS_C26) U11.C28(VSS_C28) U11.D8(VSS_D8) U11.D23(VSS_D23) U11.E2(VSS_E2) U11.E4(VSS_E4) U11.E11(VSS_E11) U11.E13(VSS_E13) U11.E17(VSS_E17) U11.E19(VSS_E19) U11.E26(VSS_E26) U11.E28(VSS_E28) U11.F1(VSS_F1) U11.F2(VSS_F2) U11.F28(VSS_F28) U11.F29(VSS_F29) U11.G1(VSS_G1) U11.G2(VSS_G2) U11.G28(VSS_G28) U11.G29(VSS_G29) U11.H1(VSS_H1) U11.H2(VSS_H2) U11.H28(VSS_H28) U11.H29(VSS_H29) U11.J1(VSS_J1) U11.J2(VSS_J2) U11.J28(VSS_J28) U11.J29(VSS_J29) U11.K1(VSS_K1) U11.K2(VSS_K2) U11.K28(VSS_K28) U11.K29(VSS_K29) U11.L1(VSS_L1) U11.L2(VSS_L2) U11.L28(VSS_L28) U11.L29(VSS_L29) U11.M1(VSS_M1) U11.M2(VSS_M2) U11.M28(VSS_M28) U11.M29(VSS_M29) U11.N1(VSS_N1) U11.N2(VSS_N2) U11.N28(VSS_N28) U11.N29(VSS_N29) U11.P1(VSS_P1) U11.P2(VSS_P2) U11.P28(VSS_P28) U11.P29(VSS_P29) U11.R1(VSS_R1) U11.R2(VSS_R2) U11.R28(VSS_R28) U11.R29(VSS_R29) U11.T1(VSS_T1) U11.T2(VSS_T2) U11.T28(VSS_T28) U11.T29(VSS_T29) U11.U1(VSS_U1) U11.U2(VSS_U2) U11.U28(VSS_U28) U11.U29(VSS_U29) U11.V1(VSS_V1) U11.V2(VSS_V2) U11.V28(VSS_V28) U11.V29(VSS_V29) U11.W1(VSS_W1) U11.W2(VSS_W2) U11.W28(VSS_W28) U11.W29(VSS_W29) U11.Y1(VSS_Y1) U11.Y2(VSS_Y2) U11.Y28(VSS_Y28) U11.Y29(VSS_Y29) U12.2(GND) U13.2(GND) U14.AA4(VSSQ2) U14.AA6(VSSQ1) U14.H6(VSS5) U14.K4(VSSQ5) U14.M7(VSS4) U14.P5(VSS3) U14.R10(VSS2) U14.T5(VSS6) U14.U8(VSS1) U14.Y2(VSSQ4) U14.Y5(VSSQ3) U15.47(GND) U15.49(GND(EPAD)) U16.3(GND1) U16.8(GND2) U17.3(GND1) U17.8(GND2) U18.3(GND1) U18.8(GND2) U19.10(AGND1) U19.41(PAD) U20.7(GND) U21.1(GND) U21.3(GND_2) U21.20(GND2) U21.31(GND3) U21.33(GND4) U21.36(GND5) U22.2(GND) U23.9(GND) U23.15(EPAD) U24.3(GND1) U24.8(GND2) U27.3(GND1) U27.8(GND2) U29.2(GND) U30.2(GND) U33.2(GND) U34.A1(VSS1) U34.A12(VSS#A12) U34.B12(VSS#B12) U34.C11(VSS#C11) U34.C12(VSS#C12) U34.E5(VSS#E5) U34.E6(VSS#E6) U34.E7(VSS#E7) U34.E8(VSS#E8) U34.E11(MODEC_DIN) U34.F5(VSS#F5) U34.F6(VSS#F6) U34.F7(VSS#F7) U34.F8(VSS#F8) U34.F11(TESTSEL) U34.F12(MODEC_CLK) U34.G5(VSS#G5) U34.G6(VSS#G6) U34.G7(VSS#G7) U34.G8(VSS#G8) U34.H5(VSS#H5) U34.H6(VSS#H6) U34.H7(VSS#H7) U34.H8(VSS#H8) U34.H11(SDA_DAT_SEL) U34.K1(VSS) U34.M1(VSS2) U35.1(SD1_CDZ) U35.3(GND#3) U35.12(GND#12) U35.35(MS2_INS/SD2_WP) U35.49(EPAD) U36.2(GND) U37.4(GND) U38.4(GND) U39.2(GND) Y1.3 Y2.2(GND1) Y2.4(GND2) Y3.2(GND1) Y3.4(GND2) Y4.2(GND1) Y4.4(GND2) Y5.2(GND1) Y5.4(GND2) Y6.2(GND1) Y6.4(GND2)